# Altium PCB ESP32_Weather.PcbDoc
Units mil, origin at the board's own origin, x right, y up, seen from the top; angles counter-clockwise.
Board outline 1965 x 1210 mil, 2 copper layers (Top Layer, Bottom Layer); 48 components, 59 nets, 268 pads, 107 vias.
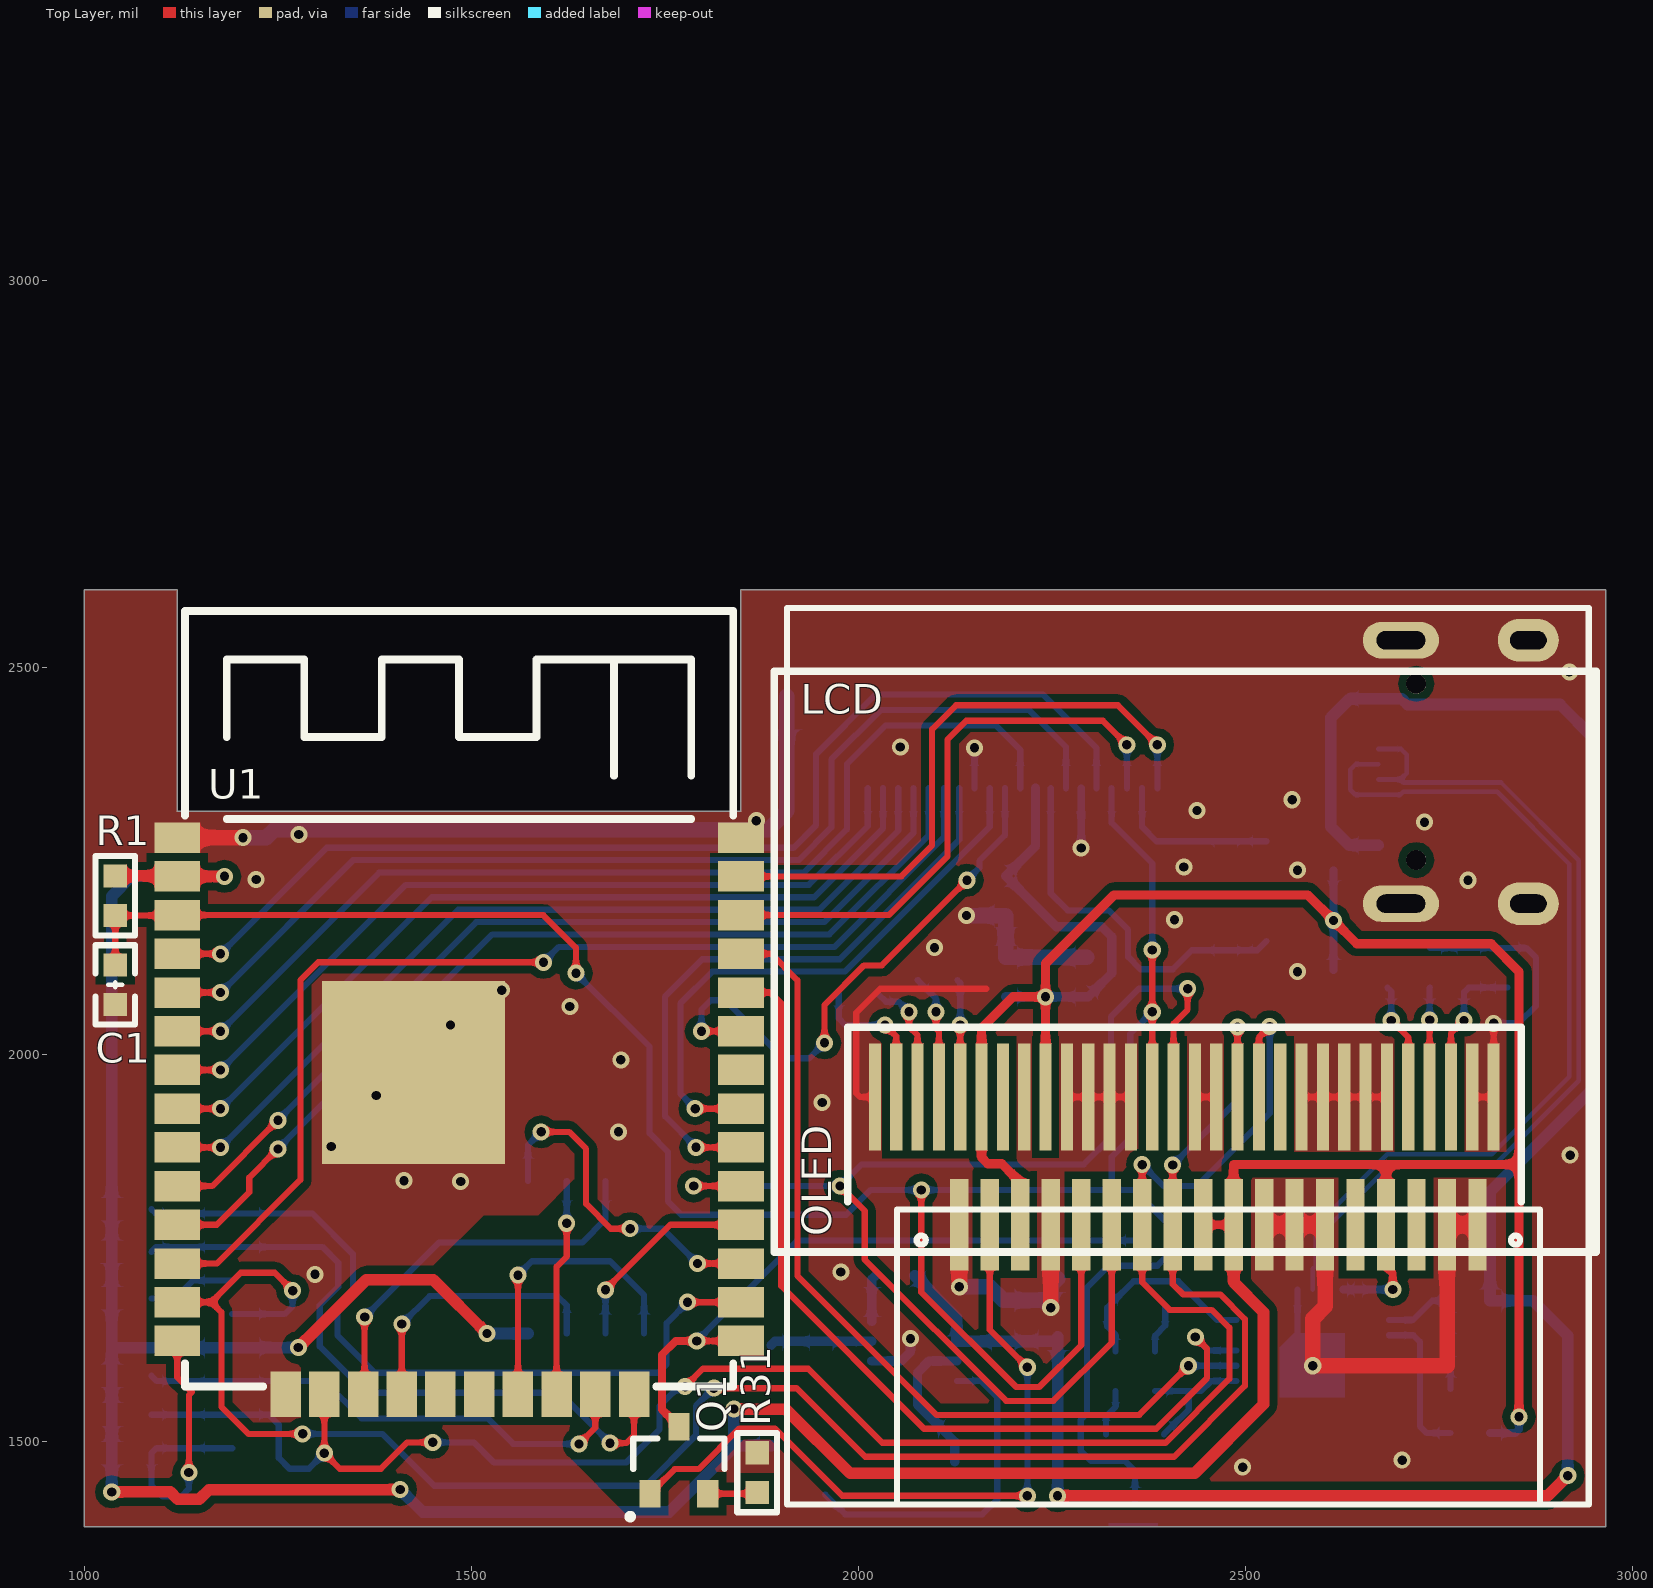
[diagram p0: Top Layer view]
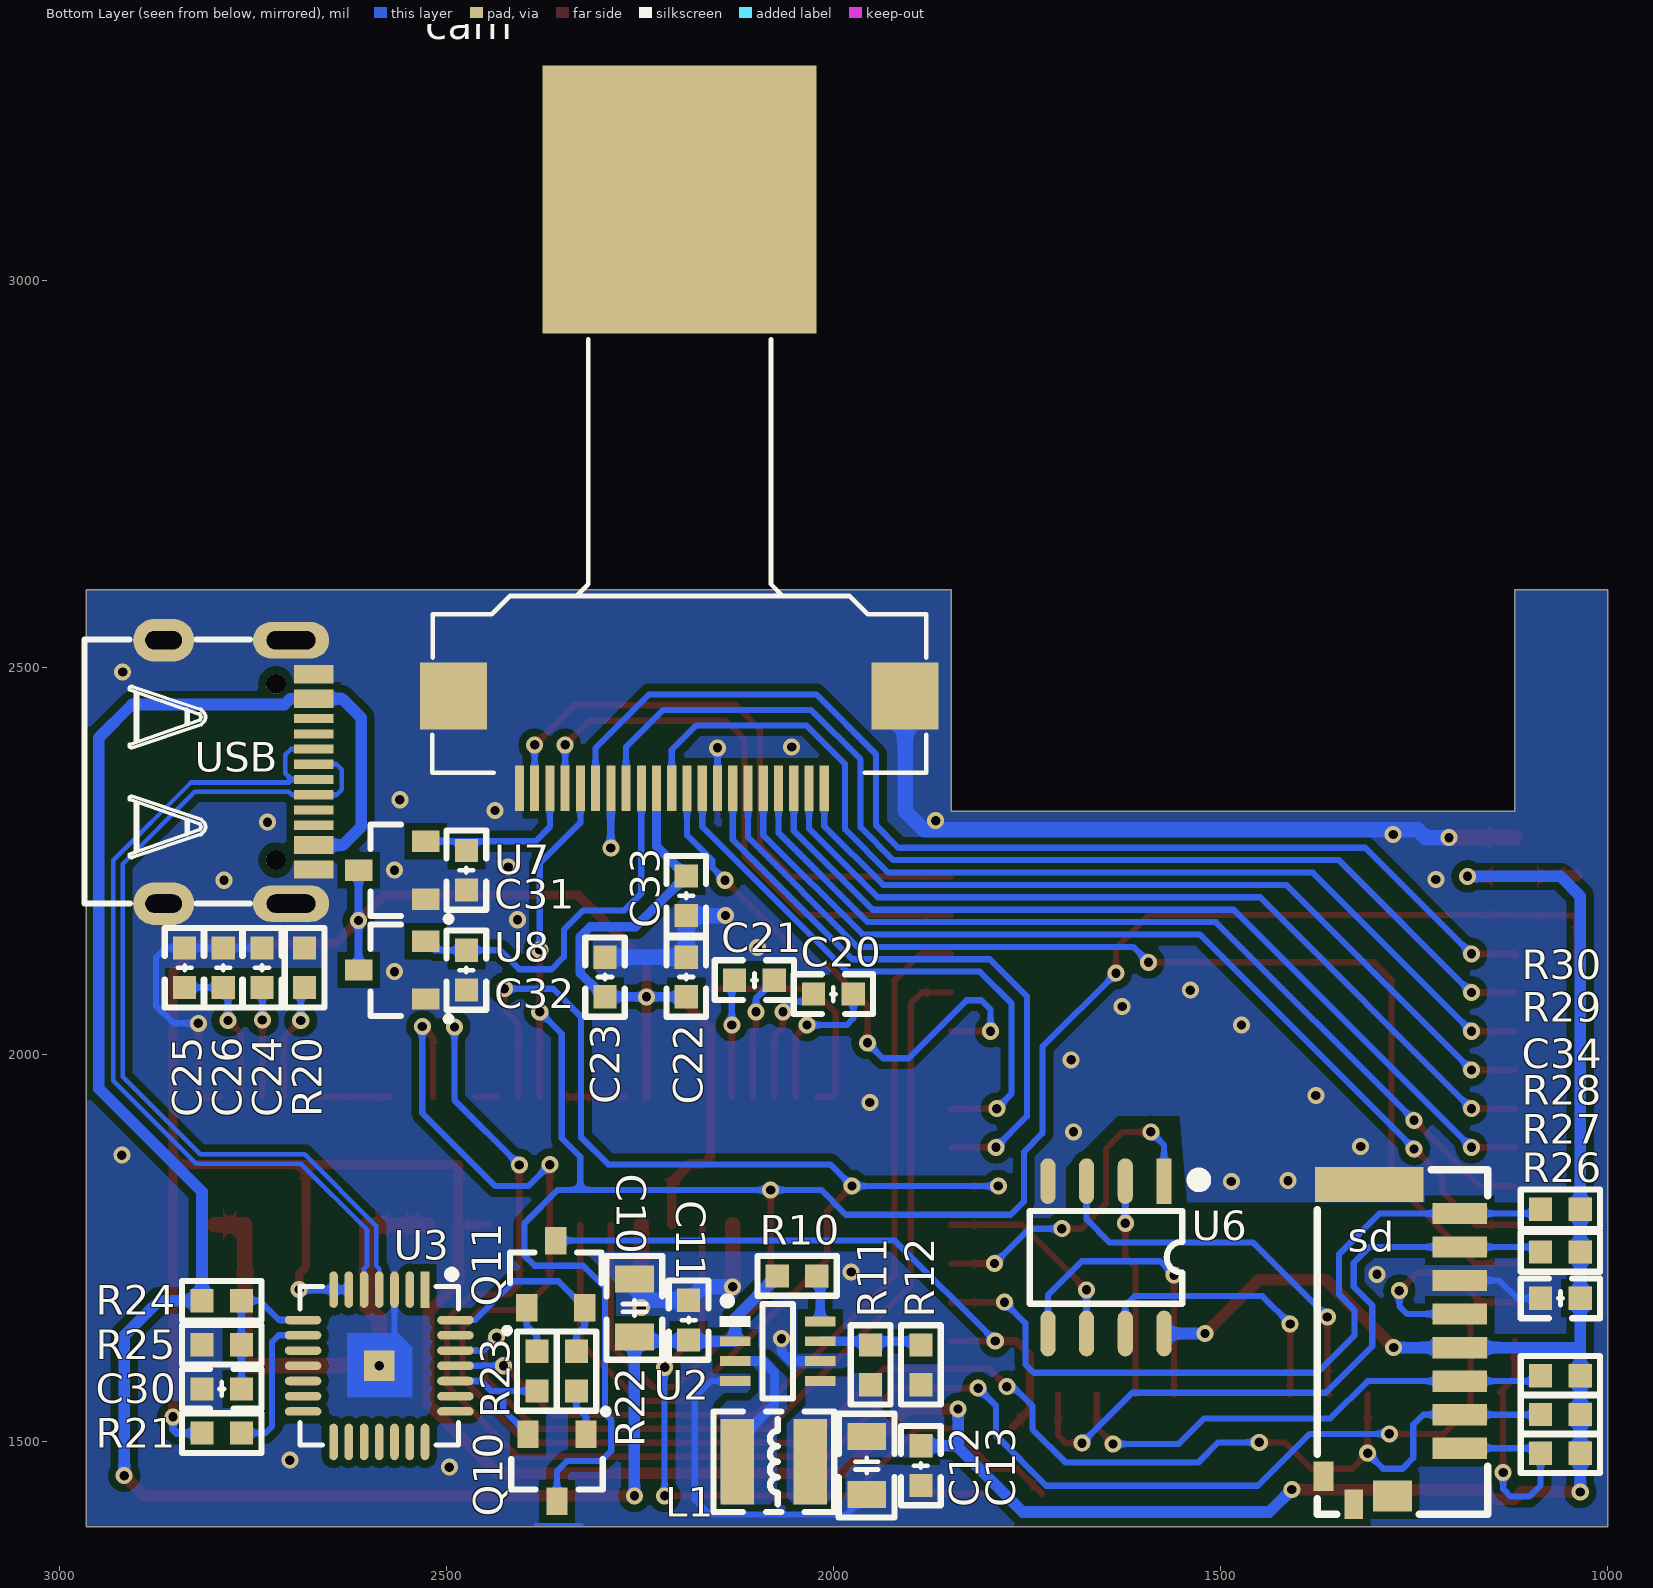
[diagram p1: Bottom Layer view, seen from below]
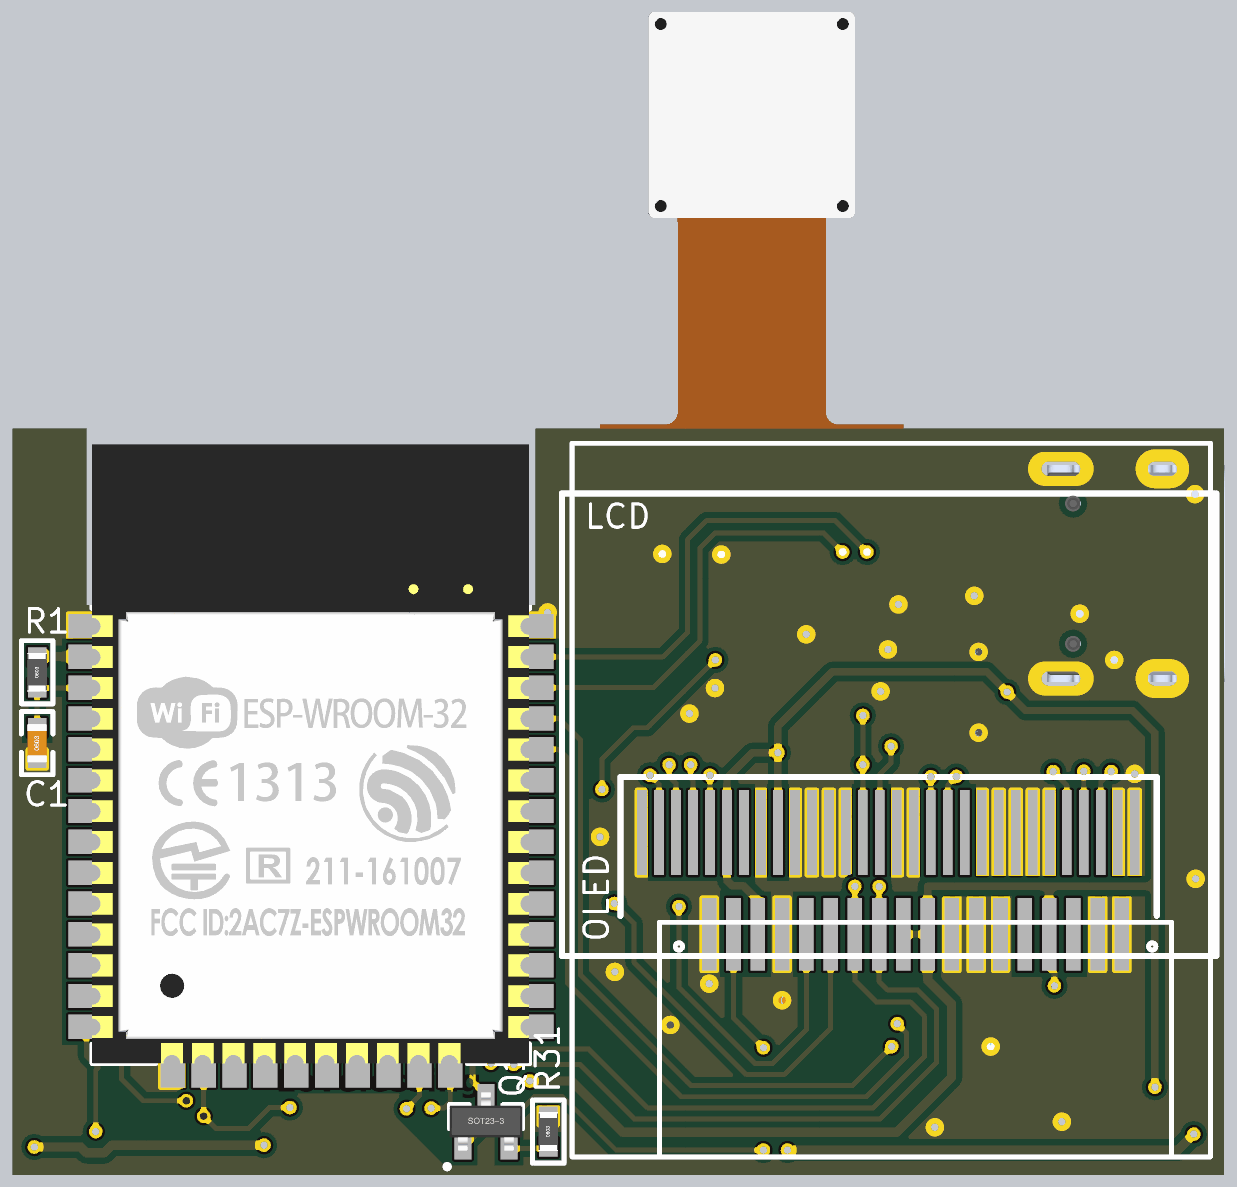
[diagram p2: 3D render of the assembled board from above, using the file's embedded part models]
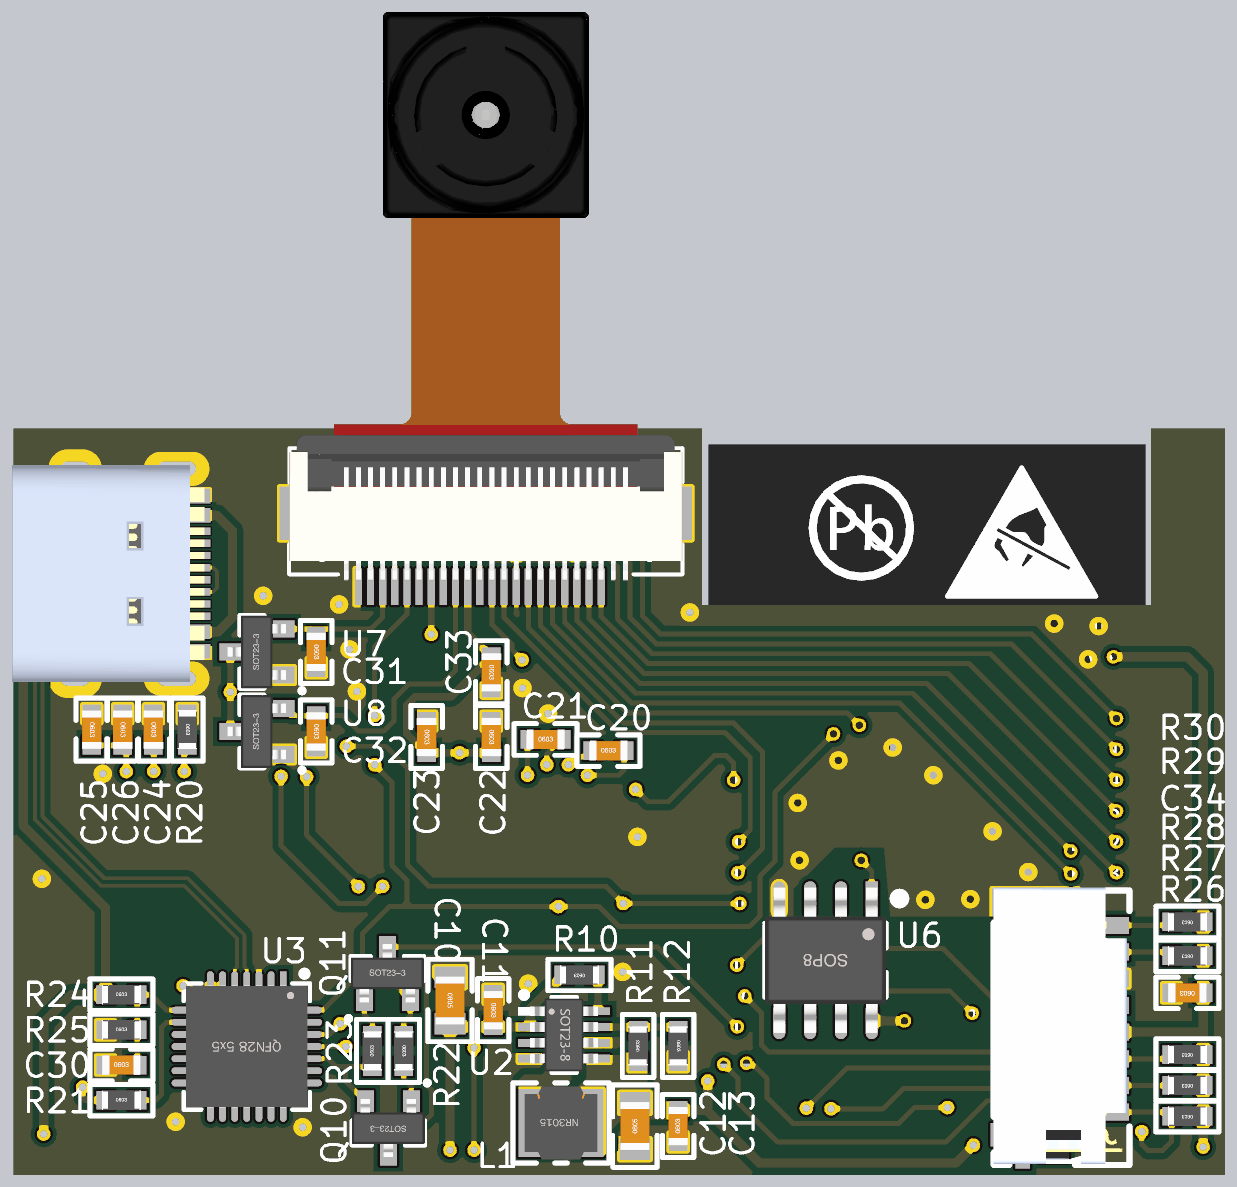
[diagram p3: 3D render of the assembled board from below, using the file's embedded part models]

## Layer stack, top to bottom
Top Solder: solder mask 0.4, Solder Resist, Dk 3.5
Top Layer: signal copper 1.4
Dielectric 1: dielectric 12.6, FR-4, Dk 4.8
Bottom Layer: signal copper 1.4
Bottom Solder: solder mask 0.4, Solder Resist, Dk 3.5

## Board outline
1000,1390 1000,2600 1120,2600 1120,2314 1848,2314 1848,2600 2965,2600 2965,1390

## Design rules (kind name [scope] priority, off if disabled: settings)
Clearance [All] p1: gap=10
DiffPairsRouting USBDiffPairsRouting [All] p1: maxlimit=6 minlimit=6 mostfreqgap=6 toplayer_minwidth=6 toplayer_maxwidth=6 toplayer_prefwidth=6 bottomlayer_minwidth=6 bottomlayer_maxwidth=6 bottomlayer_prefwidth=6 maxuncoupledlength=500
DiffPairsRouting [All] p2: maxlimit=10 minlimit=10 mostfreqgap=10 toplayer_minwidth=15 toplayer_maxwidth=15 toplayer_prefwidth=15 bottomlayer_minwidth=15 bottomlayer_maxwidth=15 bottomlayer_prefwidth=15 maxuncoupledlength=500
MatchedLengths USBMatchedLengths [All] p1: tolerance=1000 checknetsindiffpair=FALSE checkdiffpairvsdiffpair=TRUE checkxsignals=TRUE checkothers=TRUE
PlaneConnect [All] p1: planeconnectstyle=Direct reliefexpansion=20 reliefentries=4 reliefconductorwidth=10 reliefairgap=10
PolygonConnect [All] p1: connectstyle=Direct reliefconductorwidth=10 reliefentries=4 polygonreliefangle="90 Angle" airgapwidth=10
RoutingVias [All] p1: holewidth=12 width=22 viastyle="Through Hole" minholewidth=12 minwidth=22 maxholewidth=200 maxwidth=500
SolderMaskExpansion [All] p1: expansion=4
Width [All] p1: maxlimit=200 minlimit=10 preferedwidth=10 minimp=50.000000 maximp=50.000000 favimp=50.000000
28 further rules are at their usual default settings.

## Components (designator, comment, footprint, x,y, rotation, side; value= is the part's Value field where it differs from the comment)
C1 "104" "C 0603_L" 1040,2090 r90 top
C10 "47uF" "C 0805_L" 2257,1672.66 r270 bottom
C11 "104" "C 0603_L" 2187,1656.91 r270 bottom
C12 "47uF" "C 0805_L" 1957,1469 r90 bottom
C13 "104" "C 0603_L" 1887,1469 r90 bottom
C20 "1uF" "C 0603_L" 2000,2078 r180 bottom
C21 "1uF" "C 0603_L" 2102,2096 r180 bottom
C22 "104" "C 0603_L" 2190,2100 r270 bottom
C23 "10uF" "C 0603_L" 2295,2100 r270 bottom
C24 "10uF" "C 0603_L" 2738,2112 r270 bottom
C25 "104" "C 0603_L" 2838,2112 r270 bottom
C26 "10uF" "C 0603_L" 2788,2112 r270 bottom
C30 "104" "C 0603_L" 2790,1568 r180 bottom
C31 "104" "C 0603_L" 2474,2238 r270 bottom
C32 "104" "C 0603_L" 2474,2109 r270 bottom
C33 "104" "C 0603_L" 2190,2205 r270 bottom
C34 "104" "C 0603_L" 1061,1685 r0 bottom
cam "OV2640" OV5640 2199,2724 r180 bottom locked
L1 "1uH" NR3015 2077,1474 r0 bottom
LCD "LCD-TFT-H13TS38A" TFT-H13TS43B 2130.08,1780 r0 top locked
OLED "OLED12864" OLED_0.96 2021.02,1945 r0 top locked
Q1 "8550" SOT23-3L#1 1768,1476 r0 top
Q10 "8050" SOT23-3L#2 2357,1466 r0 bottom
Q11 "8050" SOT23-3L#2 2358.6,1716.31 r180 bottom
R1 "10K" "R 0603_L" 1040,2205 r90 top
R10 "10K" "R 0603_L" 2047,1714 r0 bottom
R11 "180K" "R 0603_L" 1952,1599 r90 bottom
R12 "40.2K" "R 0603_L" 1887,1599 r270 bottom
R20 "760K" "R 0603_L" 2683,2112 r270 bottom
R21 "1K" "R 0603_L" 2790,1511 r180 bottom
R22 "10K" "R 0603_L" 2332,1591 r270 bottom
R23 "10K" "R 0603_L" 2383,1591 r90 bottom
R24 "22.1K" "R 0603_L" 2790,1682 r180 bottom
R25 "47.5K" "R 0603_L" 2790,1625 r180 bottom
R26 "47K" "R 0603_L" 1061,1485 r0 bottom
R27 "47K" "R 0603_L" 1061,1535 r0 bottom
R28 "47K" "R 0603_L" 1061,1585 r0 bottom
R29 "47K" "R 0603_L" 1061,1745 r0 bottom
R30 "47K" "R 0603_L" 1061,1800 r0 bottom
R31 "10R" "R 0603_L" 1869,1460 r90 top
sd "microsd" microsd3 1266,1635 r90 bottom
U1 "esp32" ESP32 1484,1920.5 r0 top locked
U2 "MP2144" SOT23-8L 2072,1616.8 r270 bottom
U3 "cp2102" "QFN28 5x5_N" 2586.57,1597.94 r0 bottom
U6 "psram" SOP8_L 1648,1738 r270 bottom
U7 "XC6206P282" SOT23-3L#2 2570,2238 r90 bottom
U8 "XC6206P122" SOT23-3L#2 2570,2109 r90 bottom
USB "USB TypeC" "USB Type-C" 2768.05,2364.92 r270 bottom locked

## Footprints (in the part's own frame and the unit in brackets; to place one, negate y for a bottom-side part, rotate by r counter-clockwise, add the part's x,y. Pads: shape width x height; smd on the part's side, far side on the other; paste and mask are expansions set on the pad)
"C 0603_L" [mil] "无极性贴片电容"
  rect 30x30 smd: 1(-25.59,0) 2(25.59,0)
  silkscreen extent -51,-26 51,26, body extent -31,-16 31,16, height 32
"C 0805_L" [mil] "无极性贴片电容"
  rect 35x50 smd: 1(-37.4,0) 2(37.4,0)
  silkscreen extent -67,-36 67,36, body extent -39,-24 39,24, height 20
ESP32 [mil]
  rect 59.1x39.4 smd: 1(-364,359.5) 2(-364,309.5) 3(-364,259.5) 4(-364,209.5) 5(-364,159.5) 6(-364,109.5) 7(-364,59.5) 8(-364,9.5) 9(-364,-40.5) 10(-364,-90.5) 11(-364,-140.5) 12(-364,-190.5) 13(-364,-240.5) 14(-364,-290.5) 25(364,-290.5) 26(364,-240.5) 27(364,-190.5) 28(364,-140.5) 29(364,-90.5) 30(364,-40.5) 31(364,9.5) 32(364,59.5) 33(364,109.5) 34(364,159.5) 35(364,209.5) 36(364,259.5) 37(364,309.5) 38(364,359.5)
  rect 39.4x59.1 smd: 15(-224,-359.5) 16(-174,-359.5) 17(-124,-359.5) 18(-74,-359.5) 19(-24,-359.5) 20(26,-359.5) 21(76,-359.5) 22(126,-359.5) 23(176,-359.5) 24(226,-359.5)
  rect 236.2x236.2 smd: 39(-58.72,56.01)
  silkscreen extent -354,-350 354,652, body extent -355,-350 354,654, height 114
microsd3 [mm]
  rect 0.7x1.8 smd: 1(-3.645,-1.905) 2(-2.545,-1.905) 3(-1.445,-1.905) 4(-0.345,-1.905) 5(0.755,-1.905) 6(1.855,-1.905) 7(2.955,-1.905) 8(4.055,-1.905)
  rect 0.965x0.66 smd: 9(-4.572,2.565)
  rect 0.965x0.61 smd: 10(-5.486,1.575)
  rect 1.016x1.27 smd: 10(-5.207,0.305)
  rect 1.143x3.556 smd: 10(5.004,1.067)
  silkscreen extent -5.82,-2.82 5.49,2.77, body extent -5.79,-2.72 5.61,2.78, height 2.67
NR3015 [mm]
  rect 1.1x2.8 smd: 1(-1.2,0) 2(1.2,0)
  silkscreen extent -1.98,-1.65 1.98,1.65, body extent -1.5,-1.5 1.5,1.5, height 1.45
OLED_0.96 [mm]
  rect 0.4x3.5 smd: 1(0,0) 2(0.7,0) 3(1.4,0) 4(2.1,0) 5(2.8,0) 6(3.5,0) 7(4.2,0) 8(4.9,0) 9(5.6,0) 10(6.3,0) 11(7,0) 12(7.7,0) 13(8.4,0) 14(9.1,0) 15(9.8,0) 16(10.5,0) 17(11.2,0) 18(11.9,0) 19(12.6,0) 20(13.3,0) 21(14,0) 22(14.7,0) 23(15.4,0) 24(16.1,0) 25(16.8,0) 26(17.5,0) 27(18.2,0) 28(18.9,0) 29(19.6,0) 30(20.3,0)
  silkscreen extent -3.3,-5.08 23.66,13.97
OV5640 [mm] "fpc24"
  rect 0.3x1.5 smd: 2(-5.247,-9.658) 3(-4.747,-9.658) 4(-4.247,-9.658) 5(-3.747,-9.658) 6(-3.247,-9.658) 7(-2.747,-9.658) 8(-2.247,-9.658) 9(-1.747,-9.658) 10(-1.247,-9.658) 11(-0.747,-9.658) 12(-0.247,-9.658) 13(0.253,-9.658) 14(0.753,-9.658) 15(1.253,-9.658) 16(1.753,-9.658) 17(2.253,-9.658) 18(2.753,-9.658) 19(3.253,-9.658) 20(3.753,-9.658) 21(4.253,-9.658) 22(4.753,-9.658)
  rect 2.2x2.2 smd: 25(7.404,-6.636) 26(-7.404,-6.636)
  rect 9x8.8 smd: 27(0.006,9.658)
  silkscreen extent -8.1,-9.15 8.1,5.07, body extent -8.1,-9.4 8.1,14.03, height 6.13
"QFN28 5x5_N" [mm] "28脚，长x宽x高：5x5x0.8mm，脚距：0.5mm"
  rect 0.28x1.2 smd: 1(-1.5,-2.5)
  oval 0.28x1.2 smd: 2(-1,-2.5) 3(-0.5,-2.5) 4(0,-2.5) 5(0.5,-2.5) 6(1,-2.5) 7(1.5,-2.5) 15(1.5,2.5) 16(1,2.5) 17(0.5,2.5) 18(0,2.5) 19(-0.5,2.5) 20(-1,2.5) 21(-1.5,2.5)
  oval 1.2x0.28 smd: 8(2.5,-1.5) 9(2.5,-1) 10(2.5,-0.5) 11(2.5,0) 12(2.5,0.5) 13(2.5,1) 14(2.5,1.5) 22(-2.5,1.5) 23(-2.5,1) 24(-2.5,0.5) 25(-2.5,0) 26(-2.5,-0.5) 27(-2.5,-1) 28(-2.5,-1.5)
  rect 1x1 smd: 29(0,0)
  Top Layer region: -1.081,1.04 1.052,1.04 1.052,-1.068 -0.624,-1.068 -1.081,-0.611
  silkscreen extent -2.6,-3.12 2.6,2.6, body extent -2.51,-2.51 2.51,2.51, height 0.75
"R 0603_L" [mil] "1/10W贴片电阻"
  rect 30x30 smd: 1(-25.59,0) 2(25.59,0)
  silkscreen extent -51,-26 51,26, body extent -31,-16 32,16, height 16
SOP8_L [mm] "5*6*1.8mm（长宽高）"
  rect 1.5x0.5 smd: 1(-2.5,1.905)
  oval 1.5x0.5 smd: 2(-2.5,0.635) 3(-2.5,-0.635) 4(-2.5,-1.905) 5(2.5,-1.905) 6(2.5,-0.635) 7(2.5,0.635) 8(2.5,1.905)
  silkscreen extent -2.69,-2.5 1.52,3.2, body extent -3,-2.5 3,2.5, height 1.9
SOT23-3L#1 [mm]
  rect 0.7x0.9 smd: 1(0,1.1) 2(-0.95,-1.1) 3(0.95,-1.1)
  silkscreen extent -1.69,-1.94 1.5,0.71, body extent -1.5,-1.19 1.5,1.21, height 1.05
SOT23-3L#2 [mm]
  rect 0.7x0.9 smd: 1(-0.95,-1.1) 2(0.95,-1.1) 3(0,1.1)
  silkscreen extent -1.69,-1.94 1.5,0.71, body extent -1.5,-1.19 1.5,1.21, height 1.05
SOT23-8L [mm] "3x1.6x1.1mm(长宽高)"
  rect 0.325x1 smd: 2(-0.325,-1.397) 3(0.325,-1.397) 4(0.975,-1.397) 5(0.975,1.397) 6(0.325,1.397) 7(-0.325,1.397) 8(-0.975,1.397)
  silkscreen extent -1.77,-1.78 1.55,0.51, body extent -1.5,-1.4 1.5,1.4, height 1.15
TFT-H13TS43B [mm]
  rect 0.6x3 smd: 1(0,0) 2(1,0) 3(2,0) 4(3,0) 5(4,0) 6(5,0) 7(6,0) 8(7,0) 9(8,0) 10(9,0) 11(10,0) 12(11,0) 13(12,0) 14(13,0) 15(14,0) 16(15,0) 17(16,0) 18(17,0)
  silkscreen extent -5.65,-9.17 20.65,20.23, body extent -5.68,-9.18 20.68,20.2, height 2.1
"USB Type-C" [mm] "USB Type-C 12P/16P"
  rect 0.6x1.3 smd mask+0.064: 1(-3.2,2.462) 2(-2.4,2.462) 11(2.4,2.462) 12(3.2,2.462)
  rect 0.3x1.3 smd mask+0.064: 3(-1.75,2.462) 4(-1.25,2.462) 5(-0.75,2.462) 6(-0.25,2.463) 7(0.25,2.463) 8(0.75,2.462) 9(1.25,2.462) 10(1.75,2.462)
  oval 1.2x2.5 hole 0.6 slot 1.6 at 90 deg: SH1(-4.32,1.718) SH3(4.32,1.717)
  oval 1.4x2 hole 0.6 slot 1.2 at 90 deg: SH2(-4.32,-2.462) SH4(4.32,-2.462)
  round 0.65 hole 0.65 unplated mask+0: ""(-2.89,1.218) ""(2.89,1.218)
  silkscreen extent -4.34,-5.07 4.32,0.37, body extent -4.47,-5.04 4.47,2.86, height 3.2

## Part data
C1 C10 C11 C12 C13 C20 C21 C22 C23 C24 C25 C26 C30 C31 C32 C33 C34: library part C
cam: library part OV5640
L1: library part L
LCD: "LCD,TFT,1.3'240*240,禹龙"
Q1: library part 8550PNP
Q10 Q11: library part 8050NPN
R1 R10 R11 R12 R20 R21 R22 R23 R24 R25 R26 R27 R28 R29 R30 R31: library part R
U1: library part ESP32
U3: library part CP2102
U6: library part w25q256
U7 U8: library part XC6206, "LDO,SOT23,1.2~5.0V"
USB: library part "USB Type-C", "12P TypeC 母座"

## Via types
v1: diameter 22, hole 12, Top Layer to Bottom Layer, 107 vias

## Nets (pads, with @x,y where several pads share a name; then routed paths per layer and width w, separated by ;. In a path a pad name is that pad's centre, name@x,y a point inside that pad or via, vN(x,y) a via of type N, cw(c..) or ccw(c..) an arc to the next point about the centre after c; other vN are vias at no path point)
CAM_RESET: C1.2 cam.6 LCD.5 OLED.14 Q10.3 R1.1 U1.3 | length 3477.8
  Top Layer w8: C1.2 R1.1 1119.41,2179.41 U1.3 1593,2180 1635,2138 v1(1635,2105) ; v1(2081,1825) 2081,1693 2203.5,1570.5 2233.5,1570.5 2287.56,1624.56 LCD.5 ; OLED.14 v1(2379.29,2055) v1(2379.29,2135)
  Bottom Layer w8: v1(1635,2105) 1730,2010 1730,1898 1754,1874 1754,1810 1771,1793 1984,1793 2016,1825 v1(2081,1825) 2327,1825 ; cam.6 2326.83,2299.17 2379.29,2246.71 v1(2379.29,2135) v1@2379.29,2130.71 ; Q10.3 2357,1462 2344,1475 2300,1475 2287,1488 2287,1528 2295,1536 2295,1699 2323,1727 2386,1727 2399,1740 2399,1782 2356,1825 2327,1825 ; v1(2379.29,2055) 2351,2026.71 2351,1891.81 2327,1867.81 2327,1825
CLK: U1.20
CMD: U1.19
D+: U3.4 USB.6 USB.8 | length 1156.8
  Bottom Layer w6: U3.4 2586.57,1722.99 2590.42,1726.83 2590.42,1778.39 2683.03,1871 2818,1871 2918,1971 2918,2246 2824.76,2339.24 2703.54,2339.24 2699.69,2335.39 USB.8 2641.61,2335.39 2635,2342 2635,2368 2641.76,2374.76 USB.6
D-: U3.5 USB.5 USB.7 | length 1148.3
  Bottom Layer w6: U3.5 2606.26,1722.99 2602.42,1726.83 2602.42,1773.42 2688,1859 2822.97,1859 2930,1966.03 2930,2250.97 2829.73,2351.24 2703.54,2351.24 2699.69,2355.08 ; USB.7 2699.69,2355.08 ; USB.5 2700.55,2394.45 2708,2387 2708,2363.39 2699.69,2355.08
DTR: Q11.2 R22.1 U3.28 | length 262.6
  Bottom Layer w8: R22.1 2332,1638 2321.2,1648.8 Q11.2 2355.2,1707 2413,1707 2463,1657 U3.28
DVP_HREF: cam.9 U1.5 | length 1423.6
  Top Layer w8: U1.5 v1(1176,2080)
  Bottom Layer w8: v1(1176,2080) 1347,2251 1922.63,2251 1965,2293.37 1965,2381 2029,2445 2220,2445 2267.78,2397.22 cam.9
DVP_PCLK: cam.17 U1.12 | length 1432.8
  Top Layer w8: U1.12 1171,1730 1279,1838 1279,2096 1302,2119 v1(1593,2119)
  Bottom Layer w8: v1(1593,2119) 1613,2139 1969.02,2139 2110.3,2280.28 cam.17
DVP_VSYNC: cam.7 U1.4 | length 1461.4
  Top Layer w8: U1.4@1119.41,2126.41 U1.4@1120,2127 ; U1.4 v1(1176,2130)
  Bottom Layer w8: v1(1176,2130) 1313,2267 1916,2267 1945,2296 1945,2388 2022,2465 2238,2465 2307.15,2395.85 cam.7
DVP_Y2: cam.19 U1.10 | length 1197.5
  Top Layer w8: U1.10 1165,1830 v1(1250,1915)
  Bottom Layer w8: v1(1250,1915) 1506,2171 1955.76,2171 2070.93,2286.16 cam.19
DVP_Y3: cam.21 U1.8 | length 1113.2
  Top Layer w8: U1.8 v1(1176,1930)
  Bottom Layer w8: v1(1176,1930) 1449,2203 1942.51,2203 2031.56,2292.05 cam.21
DVP_Y4: cam.22 U1.7 | length 1071.1
  Top Layer w8: U1.7 v1(1176,1980)
  Bottom Layer w8: v1(1176,1980) 1415,2219 1935.88,2219 2011.87,2294.99 cam.22
DVP_Y5: cam.20 U1.9 | length 1155.3
  Top Layer w8: U1.9 v1(1176,1880)
  Bottom Layer w8: v1(1176,1880) 1483,2187 1949.14,2187 2051.24,2289.1 cam.20
DVP_Y6: cam.18 U1.11 | length 1250.7
  Top Layer w8: U1.11 1171,1780 1213,1822 1213,1841 v1(1250,1878)
  Bottom Layer w8: v1(1250,1878) 1527,2155 1962.39,2155 2090.61,2283.22 cam.18
DVP_Y7: cam.16 U1.30 | length 799.8
  Top Layer w8: v1(1790,1880) U1.30
  Bottom Layer w8: v1(1790,1880) 1750,1920 1750,2075 1798,2123 1975.65,2123 2129.98,2277.33 cam.16
DVP_Y8: cam.14 U1.31 | length 746.4
  Top Layer w8: v1(1789,1930) U1.31
  Bottom Layer w8: v1(1789,1930) 1770,1949 1770,2066 1811,2107 1982.27,2107 2169.35,2294.08 cam.14
DVP_Y9: cam.12 U1.6 | length 1364.4
  Top Layer w8: U1.6 v1(1176,2030)
  Bottom Layer w8: v1(1176,2030) 1381,2235 1929.25,2235 1985,2290.75 1985,2375 2035,2425 2177,2425 2208.72,2393.28 cam.12
GND: C1.1 C10.1 C11.1 C12.1 C13.1 C22.1 C23.1 C24.1 C25.1 C26.1 C30.1 C31.2 C32.2 C33.2 C34.2 cam.2 cam.15 cam.25 cam.26 LCD.1 LCD.4 LCD.11 LCD.12 LCD.13 LCD.17 LCD.18 OLED.1 OLED.8 OLED.10 OLED.11 OLED.12 OLED.13 OLED.16 OLED.17 OLED.21 OLED.22 OLED.23 OLED.24 OLED.25 OLED.29 OLED.30 R12.2 R20.1 R25.1 R31.2 sd.6 sd.10@1308,1832 U1.1 U1.15 U1.38 U1.39 U2.4 U2.6 U3.3 U3.29 U6.4 U7.1 U8.1 USB.1 USB.12 USB.SH1 USB.SH2 USB.SH3 USB.SH4 | length 3851.6
  Top Layer w8: OLED.1 2002,1945 1997,1950 1997,2054 2028,2085 2165,2085 ; OLED.10 OLED.11 OLED.12 OLED.13 ; OLED.16 OLED.17 ; OLED.21 OLED.22 OLED.23 OLED.24 OLED.25 ; OLED.29 OLED.30 v1(2820.24,2040.24)
  Top Layer w20: U1.1 v1(1205,2280) ; v1(2130.08,1699.92) LCD.1 ; v1(2248.19,1673) LCD.4 ; LCD.11 LCD.12 LCD.13 2602.52,1674.52 2586.57,1658.57 v1(2586.57,1597.94) 2760,1597.94 LCD.17 LCD.18
  Bottom Layer w8: C34.2 1117,1685 1140.02,1708.02 sd.6 ; C12.1 1982.59,1406 2160,1406 2179,1425 2179,1557 2157.59,1578.41 U2.4 ; cam.15 v1(2149.67,2396) ; U3.29@2566.89,1617.63 U3.3 ; C24.1 C26.1 C25.1 2862.41,2137.59 2875,2125 2875,2063 2852.24,2040.24 v1(2820.24,2040.24)
  Bottom Layer w12: U2.6 2055,1604 2067,1616 v1(2067,1633)
  Bottom Layer w20: v1(1205,2280) 1235,2280 1245,2290 1883,2290 1907.5,2314.5 cam.25 ; v1(2130.08,1699.92) 2169.59,1699.92 C11.1 2238.68,1682.51 v1(2248.19,1673) 2248.19,1701.26 C10.1 ; v1(2139.41,2179.41) C33.2 C22.1 C23.1
  other v1: 2496,1467 2702,1476 1298,1716 1977,1719 1486,1836 1413,1837 2919,1870 1319,1881 1690,1900 1953,1938 1377,1947 1693,1993 1473,2038 1627,2062 1539,2083 2567,2107 2098,2138 2408,2174 2787,2225 1222,2226 2567,2238 2420,2242 2287.46,2266.54 1277,2284 2731,2300 1868,2302 2437,2315 2560,2329 2054,2397 2918,2494
IIC_SCL: cam.5 U1.36 | length 760
  Top Layer w8: U1.36 2039,2180 2115,2256 2115,2407 2139,2431 2315.52,2431 v1(2346.52,2400)
  Bottom Layer w8: cam.5 v1(2346.52,2400)
IIC_SDA: cam.3 U1.37 | length 794.7
  Top Layer w8: U1.37 2055,2230 2095,2270 2095,2420 2126,2451 2334.89,2451 v1(2385.89,2400)
  Bottom Layer w8: cam.3 v1(2385.89,2400)
IO0: Q1.1 Q11.3 U1.25 | length 832.5
  Top Layer w8: v1(1791,1630) U1.25
  Top Layer w10: Q1.1 1746,1541.31 1746,1612 1764,1630 v1(1791,1630)
  Bottom Layer w8: v1(1791,1630) 1920.61,1759.61 Q11.3
IO2: R29.2 sd.7 U1.24 | length 885.3
  Top Layer w8: v1(1679,1498) 1700,1498 1710,1508 U1.24
  Bottom Layer w8: R29.2 1092.91,1751.32 sd.7 1307.68,1751.32 1328,1731 1328,1700 1304,1676 1304,1623 1364,1563 1614,1563 v1(1679,1498)
IO4: R30.2 sd.8 U1.26 | length 1007.3
  Top Layer w8: v1(1779,1680) U1.26
  Bottom Layer w8: R30.2 1091.96,1794.63 sd.8 1294.37,1794.63 1347,1742 1347,1690 1327,1670 1327,1637 1375,1589 1741,1589 1752,1600 1752,1653 v1(1779,1680)
IO5: LCD.6 OLED.15 U1.29 | length 1729.6
  Top Layer w8: v1(1787,1830) U1.29 ; v1(1976,1830) 2008,1798 2008,1735 2190.5,1552.5 2251.5,1552.5 2326.93,1627.93 LCD.6 ; OLED.15 2406.85,2039.85 2425,2058 v1(2425,2085)
  Bottom Layer w8: v1(1787,1830) v1(1976,1830) 2004,1858 2291,1858 2326,1893 2326,2049 2362,2085 v1(2425,2085)
IO12: R26.2 sd.1 U1.14 | length 407.7
  Top Layer w8: U1.14 1120,1583 1139,1564 1135,1560 v1(1135,1460)
  Bottom Layer w8: v1(1135,1460) 1135,1439 1125,1429 1101,1429 1086.59,1443.41 R26.2 1093.06,1491.48 sd.1
IO13: LCD.7 OLED.19 R27.2 sd.2 U1.16 | length 2479.4
  Top Layer w8: U1.16 v1(1310,1485) 1330,1465 1383,1465 1417,1499 v1(1450,1499) ; v1(1776,1571) 1799,1594 1935,1594 2030.5,1498.5 2396.5,1498.5 2479,1581 2479,1647 2456,1670 2402,1670 2366.3,1705.7 LCD.7 v1(2366.3,1857.7) ; OLED.19 2517.09,2022.09 v1(2531,2036)
  Bottom Layer w8: R27.2 1086.8,1534.79 sd.2 1238.21,1534.79 1251,1522 1251,1479 1265,1465 1290,1465 v1(1310,1485) ; v1(1450,1499) 1503,1499 1529,1473 1700.14,1473 1743,1515.86 1743,1546 1768,1571 v1@1771,1571 ; v1(2366.3,1857.7) 2394,1830 2437,1830 2531,1924 v1(2531,2036)
IO14: LCD.8 OLED.18 sd.5 U1.13 | length 2587.7
  Top Layer w8: U1.13 1164,1680 ; v1(1269,1695) 1246,1718 1202,1718 1164,1680 ; v1(1282,1510) 1212,1510 1177,1545 1177,1667 1164,1680 ; v1@1811,1569 v1(1813,1569) 1920,1569 2008.5,1480.5 2407.5,1480.5 2499,1572 2499,1658 2467,1690 2419,1690 2405.67,1703.33 LCD.8 v1(2405.67,1857.33) ; OLED.18 v1(2489.53,2035.53)
  Bottom Layer w8: sd.5 1258.71,1664.71 1269,1675 v1(1269,1695) ; v1(1282,1510) 1385,1510 1452,1443 1725,1443 1790,1508 1790,1546 v1(1813,1569) ; v1(2405.67,1857.33) 2489.53,1941.19 v1(2489.53,2035.53)
IO15: R28.2 sd.3 U1.23 | length 661.6
  Top Layer w8: v1(1639,1497) 1660,1518 U1.23
  Bottom Layer w8: R28.2 1093.5,1578.09 sd.3 1309.91,1578.09 1358,1530 1521,1530 1554,1497 v1(1639,1497)
IO16: U1.27 U6.1 | length 440.6
  Top Layer w8: v1(1590,1900) 1626,1900 1648,1878 1648,1807 1680,1775 v1(1705,1775) ; v1(1792,1730) U1.27
  Bottom Layer w8: U6.1 1573,1883 v1(1590,1900) ; v1(1705,1775) 1747,1775 v1(1792,1730)
IO17: U1.28 U6.6 | length 266.2
  Top Layer w8: v1(1673,1696) 1757,1780 U1.28
  Bottom Layer w8: U6.6 v1(1673,1696)
IO21: cam.13 U1.33 | length 721.1
  Top Layer w8: v1(1797,2030) U1.33 ; v1(1956,2015) 1956,2064 2007,2115 2030,2115 v1(2140,2225)
  Bottom Layer w8: v1(1797,2030) 1797,2058 1809,2070 1828,2070 1903,1995 1936,1995 v1(1956,2015) ; v1(2140,2225) 2156,2241 2156,2250 2189.04,2283.04 cam.13
NetC20_1: C20.1 OLED.3 | length 163.5
  Top Layer w8: v1(2065,2055) 2065,2036 2076.14,2024.86 OLED.3
  Bottom Layer w8: C20.1 2035.59,2068 2052,2068 v1(2065,2055)
NetC20_2: C20.2 OLED.2 | length 193.6
  Top Layer w8: v1(2034,2038) 2048.58,2023.42 OLED.2
  Bottom Layer w8: C20.2 1974.41,2046.59 1983,2038 v1(2034,2038)
NetC21_1: C21.1 OLED.5 | length 152.5
  Top Layer w8: OLED.5 v1(2131.26,2038)
  Bottom Layer w8: C21.1 2131.26,2092.33 v1(2131.26,2038)
NetC21_2: C21.2 OLED.4 | length 162.3
  Top Layer w8: v1(2100,2055) 2100,2034 2103.7,2030.3 OLED.4
  Bottom Layer w8: C21.2 2100,2072.41 v1(2100,2055)
NetC24_2: C24.2 OLED.27 | length 141.6
  Top Layer w8: OLED.27 v1(2737.56,2044.44)
  Bottom Layer w8: v1(2737.56,2044.44) 2737.56,2085.97 C24.2
NetC25_2: C25.2 C26.2 OLED.28 | length 200.9
  Top Layer w8: OLED.28 2765.12,2027.12 v1(2782,2044)
  Bottom Layer w8: v1(2782,2044) 2782,2080.41 C26.2 C25.2
NetC30_2: C30.2 R24.2 R25.2 U3.8 | length 203.8
  Bottom Layer w8: U3.8 2716,1657 2741,1682 R24.2 C30.2
NetL1_2: L1.2 U2.3 | length 192.2
  Bottom Layer w12: L1.2 2124.24,1499.76 2076,1548 2076,1589 2091,1604 U2.3
NetLCD_2: LCD.2 Q1.2 | length 928.5
  Top Layer w8: Q1.2 1762.32,1464.41 1793.41,1464.41 1846,1517 1892,1517 1979,1430 v1(2218,1430) ; LCD.2 2169.45,1644.55 v1(2218,1596)
  Bottom Layer w8: v1(2218,1430) v1(2218,1596)
NetOLED_26: OLED.26 R20.2 | length 152.6
  Top Layer w8: v1(2688,2044) 2710,2022 OLED.26
  Bottom Layer w8: R20.2 2688,2081.42 v1(2688,2044)
NetQ1_3: Q1.3 R31.1 | length 64.3
  Top Layer w8: Q1.3 1867.29,1432.69 R31.1
NetQ10_1: Q10.1 R22.2 | length 61.2
  Bottom Layer w8: Q10.1 2319.6,1532.6 2332,1545 R22.2
NetQ11_1: Q11.1 R23.2 | length 61.8
  Bottom Layer w8: R23.2 2383,1637 2396,1650 Q11.1
NetR10_1: R10.1 U2.8 | length 60.6
  Bottom Layer w12: U2.8 2017,1709.6 R10.1
NetR11_2: R11.2 R12.1 U2.7 | length 132.1
  Bottom Layer w12: R12.1 1892,1629.59 U2.7
NetR21_2: R21.2 U3.9 | length 195.6
  Bottom Layer w8: U3.9 2716.68,1637.32 2725,1629 2725,1520 2734,1511 R21.2
PSRAM_D0: U1.21 U6.5 | length 396.1
  Top Layer w8: U1.21 v1(1560,1715) v1@1560,1719
  Bottom Layer w8: v1(1560,1715) 1578,1733 1679,1733 1723,1689 U6.5
PSRAM_D1: U1.22 U6.2 | length 280.8
  Top Layer w8: U1.22 1610,1726 1623,1739 v1(1623,1782)
  Bottom Layer w8: v1(1623,1782) U6.2
PSRAM_D2: U1.17 U6.3 | length 513.4
  Top Layer w8: U1.17 1362,1563 v1(1362,1661)
  Bottom Layer w8: v1(1362,1661) 1458,1757 1643,1757 1673,1787 U6.3
PSRAM_D3: U1.18 U6.7 | length 360.3
  Top Layer w8: U1.18 v1(1410,1652)
  Bottom Layer w8: v1(1410,1652) 1446,1688 1611,1688 1623,1676 U6.7
PWDN: cam.8 | length 77.2
  Bottom Layer w10: 2287.46,2266.54 cam.8
RTS: Q10.2 R23.1 U3.24 | length 180.1
  Bottom Layer w8: R23.1 2427,1565.41 ; Q10.2 2426.41,1541.31 2426.41,1564.81 2427,1565.41 ; U3.24 2455.26,1578.26 2442.41,1565.41 2427,1565.41
RXD: U1.35 U3.25 | length 1136.9
  Top Layer w8: U1.35 1887,2130 1921,2096 1921,1714 2100.5,1534.5 2362.61,1534.5 v1(2426.05,1597.94)
  Bottom Layer w8: v1(2426.05,1597.94) U3.25
RXD0: U1.34 U3.26 | length 1195.9
  Top Layer w8: U1.34 1886,2080 1900,2066 1900,1701 2084.5,1516.5 2384.5,1516.5 2450,1582 2450,1620 v1(2435,1635)
  Bottom Layer w8: v1(2435,1635) 2452.37,1617.63 U3.26
VCC1.2: C32.1 cam.10 U8.2 | length 490.6
  Bottom Layer w8: cam.10 2248.09,2207.91 2270,2186 2323,2186 2348,2161 2348,2126 2364,2110 2406,2110 2430.59,2134.59 C32.1 2514.89,2134.59 U8.2
VCC2.8: C31.1 cam.4 U7.2 | length 218.1
  Bottom Layer w8: cam.4 2366.2,2293.8 2384.6,2275.4 U7.2
VCC3.3: C12.2 C13.2 C22.2 C23.2 C33.1 C34.1 cam.11 L1.1 LCD.3 LCD.9 LCD.10 LCD.15 OLED.6 OLED.9 R1.2 R11.1 R21.1 R26.1 R27.1 R28.1 R29.1 R30.1 sd.4 U1.2 U2.5 U3.6 U3.7 U6.8 U7.3 U8.3 | length 6849
  Top Layer w10: U1.2@1119.41,2230.59 U1.2 ; LCD.9 LCD.10 ; 2484.41,1857.59 2484.82,1858 ; LCD.15 2681.26,1725.74 2690,1717 v1(2690,1696.37)
  Top Layer w12: LCD.3 2208.82,1835.18 2185,1859 2167,1859 2158.82,1867.18 OLED.6 2158.82,2033.82 2199.41,2074.41 v1(2241.5,2074.41) ; OLED.9 v1(2241.5,2074.41) ; LCD.10 2484.41,1857.59 ; 2484.82,1858 2681.26,1858 ; LCD.15 2681.26,1858 ; v1(2853,1532) 2853,1858 ; v1(2241.5,2074.41) 2241.5,2117.5 2330,2206 2580.31,2206 v1(2613.31,2173) 2643.31,2143 2817,2143 2853,2107 2853,1858 ; 2681.26,1858 2853,1858
  Top Layer w15: v1(1035.41,1435) 1111,1435 1120.41,1425.59 1148.59,1425.59 1161,1438 v1(1408,1438) ; R1.2 U1.2@1119.41,2230.59 ; U1.2 v1(1181,2230) ; v1(1276.4,1621.4) 1364,1709 1450.57,1709 v1(1520,1639.57) ; v1(1839,1542) 1906,1542 1989,1459 2434,1459 2523,1548 2523,1667 2484.41,1705.59 LCD.10
  Bottom Layer w10: v1@2241.5,2073.5 v1@2242,2074 ; U8.3 v1(2613.31,2173) U7.3 ; U3.6 U3.7 v1(2690,1696.37) ; R21.1 2848,1511 2853,1516 v1(2853,1532)
  Bottom Layer w12: C22.2 v1(2241.5,2074.41) ; cam.11 2228.41,2269 C33.1 2255.6,2165 2314,2165 2327,2152 2327,2104.96 2296.45,2074.41 C23.2 v1@2242,2074.41
  Bottom Layer w15: v1(1035.41,1435) R26.1 R27.1 1035.41,1621 ; v1(1181,2230) 1061,2230 1035.41,2204.41 R30.1 C34.1 1035.41,1621 ; v1(1276.4,1621.4) sd.4 1035.81,1621.4 1035.41,1621 ; v1(1408,1438) 1437,1409 1755.41,1409 1841,1494.59 ; v1@1516.43,1639.57 v1(1520,1639.57) U6.8 ; v1(1839,1542) 1839,1496.59 1841,1494.59 ; C13.2 1841,1494.59
VCC5: C10.2 C11.2 R10.2 R24.1 U2.2 USB.2 USB.11 | length 2769.3
  Top Layer w15: v1(2257,1430) 2890,1430 v1(2916,1456)
  Bottom Layer w15: R10.2 2127,1659.59 U2.2 C10.2@2250.19,1629.59 ; v1(2257,1430) C10.2 ; USB.11 2633.57,2270.43 2610,2294 2610,2435 2634.41,2459.41 USB.2 2701.59,2459.41 2709,2452 2906,2452 2949,2409 2949,1956 2815.59,1822.59 R24.1 2871,1682 2916,1637 v1(2916,1456)
pads on no net: cam.27 LCD.14 LCD.16 OLED.7 OLED.20 sd.9 sd.10@1278,1430 sd.10@1328,1419 U1.32 U3.1 U3.2 U3.10 U3.11 U3.12 U3.13 U3.14 U3.15 U3.16 U3.17 U3.18 U3.19 U3.20 U3.21 U3.22 U3.23 U3.27 USB. USB.3 USB.4 USB.9 USB.10

## Polygon pours and split planes (outlines as drawn)
GND on Bottom Layer "AutoNaming" (solid, remove dead copper, pour order 6): 1000,2600 1120,2600 1120,2314 1848,2314 1848,2600 2965,2600 2965,1390 1000,1390
VCC3.3 on Bottom Layer "AutoNaming" (solid, remove dead copper, pour order 0): 2036,1584 2036,1571 2036,1547 2043,1540 2060,1523 2060,1487 2060,1428 2051,1419 2009,1419 1994,1434 1994,1463 1977,1480 1920,1480 1899,1480 1874,1480 1872,1482 1872,1504 1872,1507 1873,1508 1874,1509 1900,1509 1910,1509 1937,1536 1937,1565 1937,1586 1939,1588 1966,1588 1978,1588 1982,1584
NetL1_2 on Bottom Layer "AutoNaming" (solid, remove dead copper, pour order 2): 2108,1610 2105,1610 2087,1610 2060,1583 2060,1543 2064,1539 2073,1530 2073,1505 2073,1428 2078,1423 2082,1419 2114,1419 2142,1419 2145,1422 2146,1423 2146,1427 2146,1544 2140,1550 2137,1553 2108,1553 2104,1557 2097,1564 2097,1585 2097,1591 2102,1596 2104,1598 2108,1598
GND on Top Layer "AutoNaming" (solid, remove dead copper, pour order 4): 1000,2600 1000,1390 2965,1390 2965,2600 1848,2600 1848,2314 1120,2314 1120,2600

## Other copper
Top Layer:
  pour cut-out: 1622.52,1483.86 1701.41,1404.98 1754.38,1404.98
  pour cut-out: 1450.57,1726.84 1515.73,1792 1586,1792 1632,1838 1641,1838 1641,1726
Bottom Layer:
  rectangle net GND: 2323,1390 2387,1394.98
  pour cut-out: 1359,1727 1294.37,1808.9 1543,1808.9 1553,1921 1633,1921 1700,1854 1700,1795 1632,1727

## Silkscreen, mask and mechanical layers (free items; w line width, h text height)
Bottom Overlay:
  rectangle: 2107,1648 2147,1662
Top Solder:
  text "WIFI&BLE" at 1073,2593 h72 r270
  text "ANT" at 1010,2592 h72 r270
  text "V1.0" at 1010,2433 h72 r270
  text "ESP32" at 1476,1485 h52
  text "Discovery" at 1434,1444 h52
  text "Lovelessing" at 1419,1400 h57
Mechanical 1:
  lines w10: 1000,1390 1000,2600 1120,2600 1120,2314 1848,2314 1848,2600 1895,2600 2965,2600 2965,1390 1000,1390